# KiCad board MSX OPL4 Wozblaster.kicad_pcb
title: MSX OPL4 Wozblaster Reloaded; date: 2023-05-14; rev: 3.1; company: The Retro Hacker; note: Reloaded by Cristiano Goncalves; note: Original Design by Gustavo Iriarte; note: Wozblaster Reloaded v3
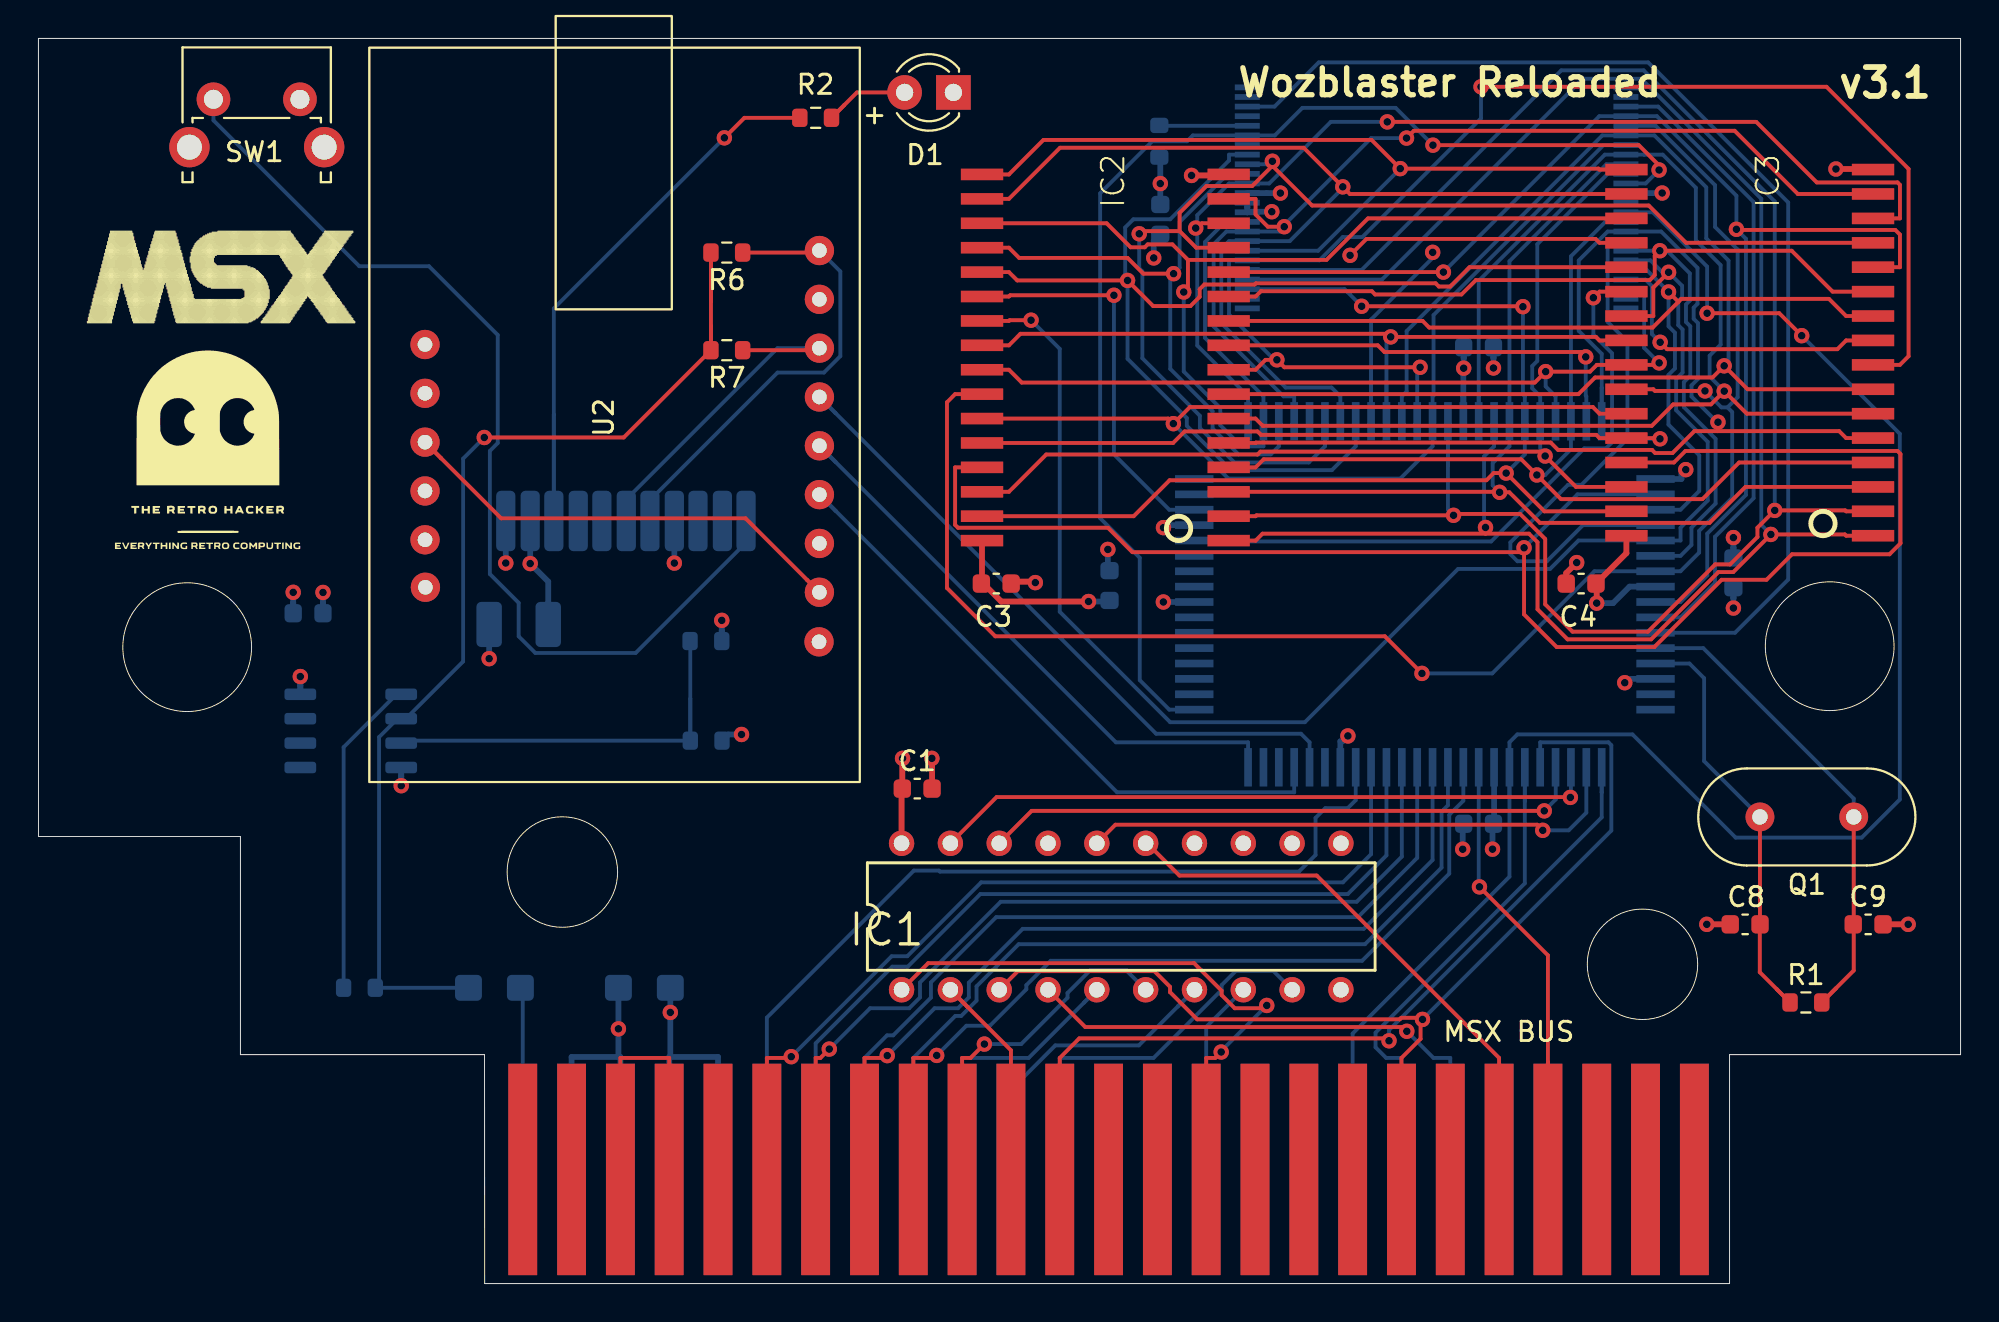
[diagram p0: board, top side]
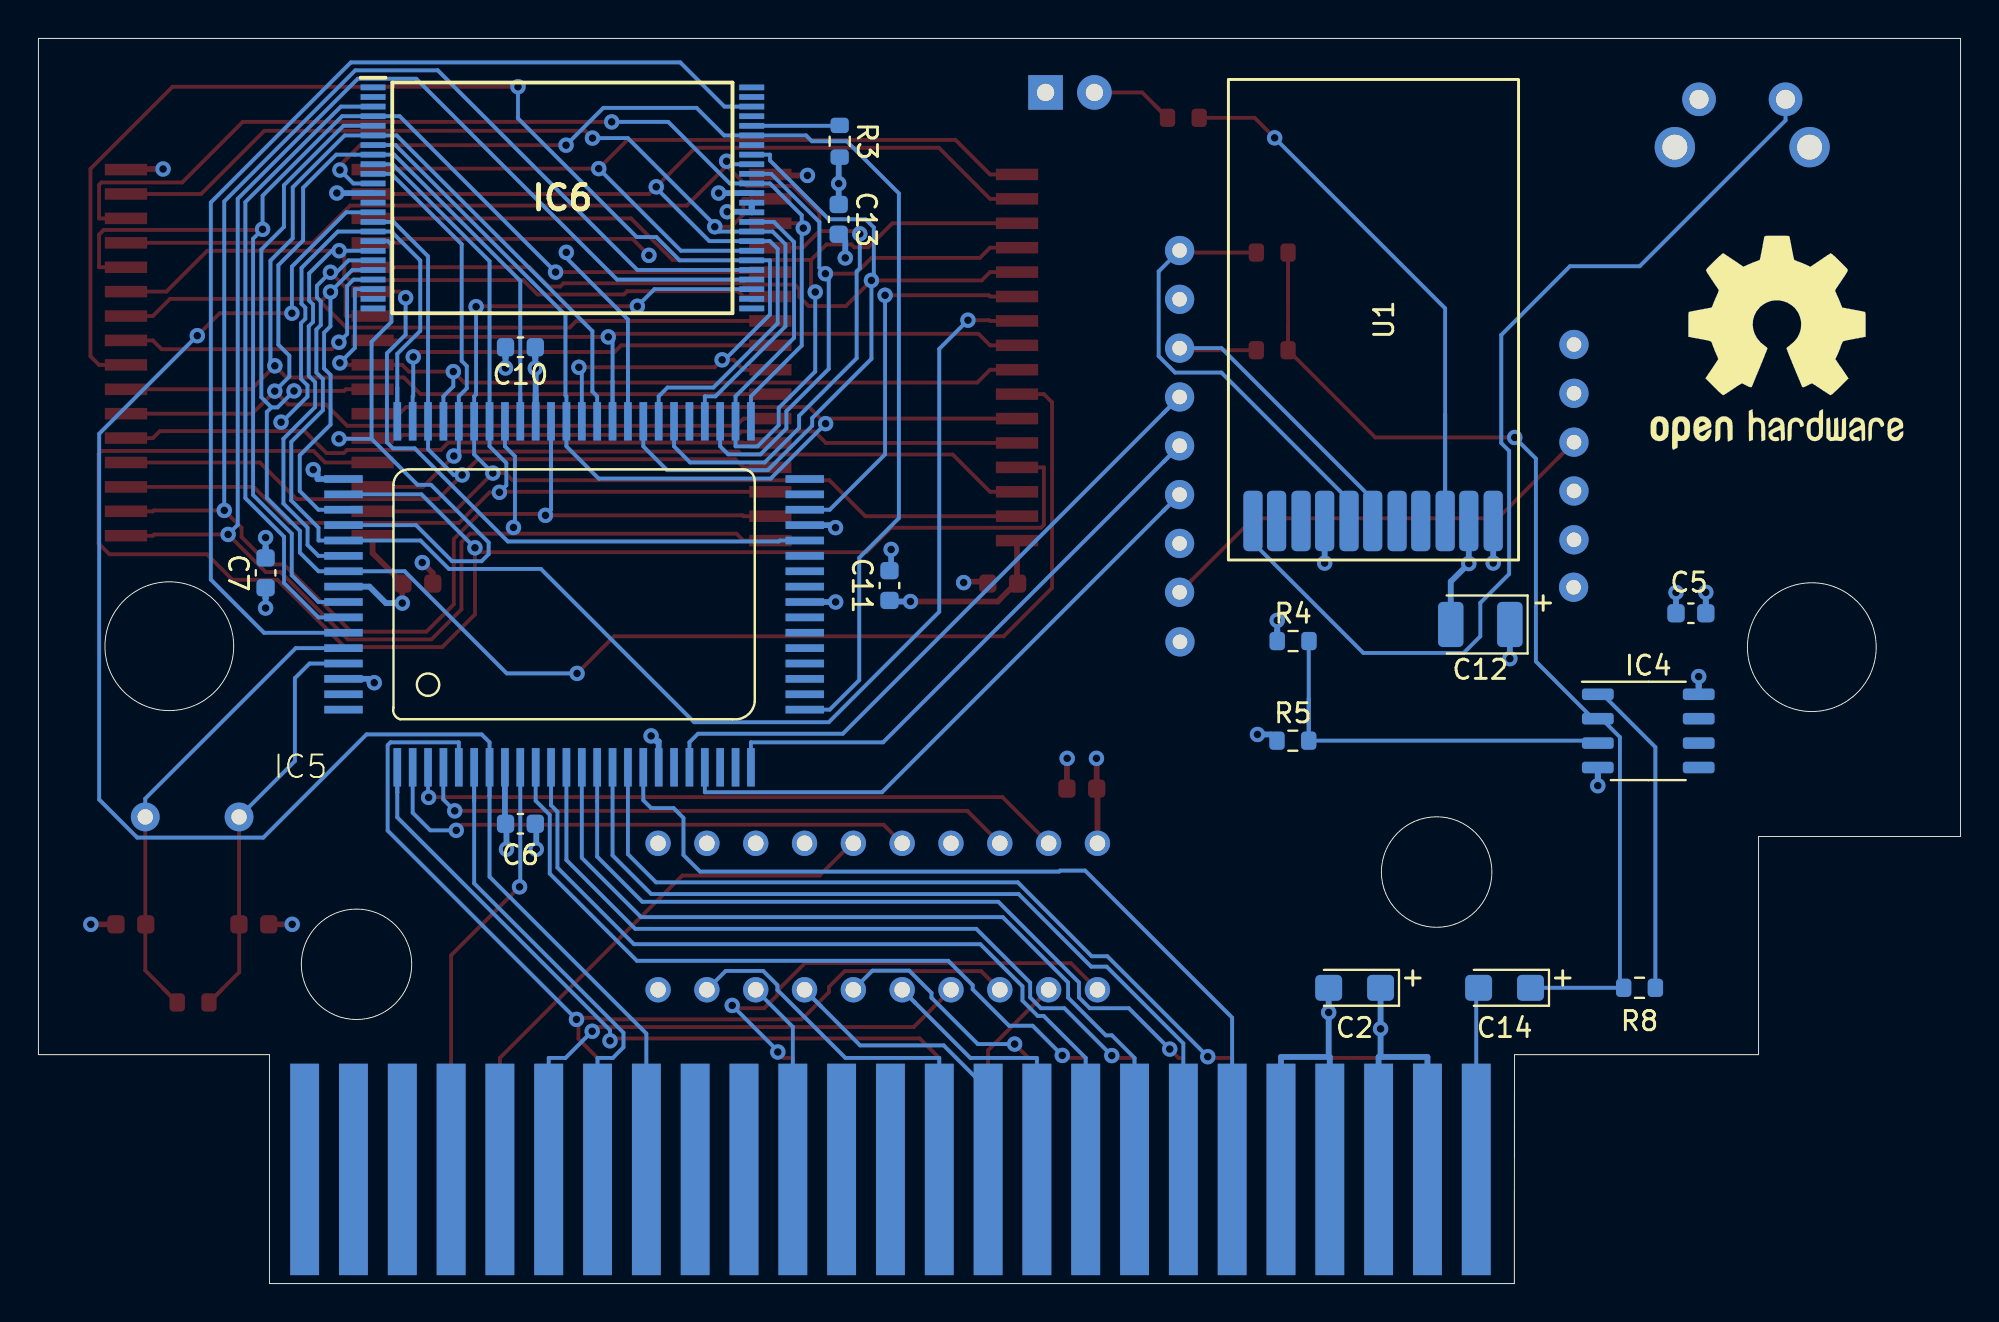
[diagram p1: board, bottom side, seen from below]

Outline 100.01 x 64.78 mm; copper layers: Top, In1.Cu (plane), In2.Cu (plane), Bottom. Coordinates in mm from the lower left corner of the outline.
Outline path: circle c7.74,33.11 r3.35 ; circle c27.26,21.41 r2.87 ; circle c83.46,16.61 r2.87 ; circle c93.2,33.16 r3.35 ; 0,64.78 100.01,64.78 100.01,11.91 87.99,11.91 87.99,0 23.22,0 23.21,11.91 10.51,11.91 10.51,23.26 0,23.26 0,64.78
Stack: Top 0.035mm / dielectric 0.1mm FR4 er 4.5 / In1.Cu 0.035mm / dielectric 1.24mm FR4 er 4.5 / In2.Cu 0.035mm / dielectric 0.1mm FR4 er 4.5 / Bottom 0.035mm

## Placement (name value [footprint] x y rotation side)
C1  0.1uF  [C_0603_1608Metric]  45.72 25.75 0 top
C2  10uF/10v  [CP_EIA-3216-18_Kemet-A]  31.53 15.39 0 bottom
C3  0.1uF  [C_0603_1608Metric]  49.84 36.42 0 top
C4  0.1uF  [C_0603_1608Metric]  80.27 36.42 180 top
C5  0.1uF  [C_0603_1608Metric]  14.03 34.87 0 bottom
C6  0.1uF  [C_0603_1608Metric]  74.93 23.92 180 bottom
C7  0.1uF  [C_0603_1608Metric]  88.19 36.98 90 bottom
C8  12pF  [C_0603_1608Metric]  88.8 18.69 180 top
C9  12pF  [C_0603_1608Metric]  95.2 18.69 0 top
C10  0.1uF  [C_0603_1608Metric]  74.93 48.71 0 bottom
C11  0.1uF  [C_0603_1608Metric]  55.73 36.32 90 bottom
C12  100uF/10v  [CP_EIA-3528-21_Kemet-B]  24.99 34.29 0 bottom
C13  0.1uF  [C_0603_1608Metric]  58.37 55.37 270 bottom
C14  10uF/10v  [CP_EIA-3216-18_Kemet-A]  23.73 15.39 0 bottom
D1  LED  [LED_D3.0mm]  47.61 61.97 180 top
G***  LOGO  [TRH]  8.84 43.43 0 top
IC1  GAL16V8D  [DIL20]  56.34 19.1 0 top
IC2  KM684000ALG  [SOP32L]  55.51 48.18 90 top
IC3  KM684000ALG  [SOP32L]  89.04 48.43 90 top
IC4  NJM4558  [SOP-8_3.9x4.9mm_P1.27mm]  16.25 28.75 180 bottom
IC5  YMF278B-F  [80-QFP]  72.24 36.16 180 bottom
IC6  AM29F016B-120EC  [SOP50P2000X120-48N]  72.75 56.48 180 bottom
LOGO_MSX  -  [LOGO_MSX]  1.48 55.67 0 top
MSX BUS  MSX_SLOT_EDGE-CON  [msx_cartridge]  55.68 5.81 0 top
Q1  33.8688  [Crystal_HC49-U_Vertical]  94.45 24.28 180 top
R1  3.3K  [R_0603_1608Metric]  91.96 14.62 0 top
R2  330  [R_0603_1608Metric]  40.44 60.65 0 top
R3  1K  [R_0603_1608Metric]  58.32 59.43 90 bottom
R4  2K  [R_0603_1608Metric]  34.73 33.43 180 bottom
R5  1K  [R_0603_1608Metric]  34.74 28.25 180 bottom
R6  1K  [R_0603_1608Metric]  35.82 53.64 180 top
R7  1K  [R_0603_1608Metric]  35.82 48.56 180 top
R8  1K  [R_0603_1608Metric]  16.7 15.39 0 bottom
REF**  -  [OSHW-Logo2_14.6x12mm_SilkScreen]  9.55 48.97 180 bottom
SW1  SW_Push  [SW_Tactile_SPST_Angled_PTS645Vx58-2LFS]  9.11 61.61 0 top
U1  -  [KCX_BT_EMITTER]  30.5 50.15 270 bottom
U2  -  [UDA1334MOD]  29.91 45.06 90 top

## Library data of the parts
D1 = -: Description: Light emitting diode
IC4 = -: Description: Dual Operational Amplifier, DIP-8/DMP-8/SIP-8/SOP-8/SSOP-8
IC6 = -: Description: Flash Memory IC 16 MEGABIT CMOS FLASH EPROM; Height: 1.2; Manufacturer_Name: AMD
MSX BUS = -: Description: MSX-compatible edge-connector for the cartridge slots used in the MSX-standard.; MPN: n/a; Manufacturer: n/a
R1-R8 = -: Description: Resistor
SW1 = -: Description: Push button switch, generic, two pins

## Footprints (pads in the part's own frame, mm; a bottom-side part is the same pattern mirrored in y, then rotated)
80-QFP
  rect 0.4x2 smd: 1(-9.1,-9.3) 2(-8.3,-9.3) 3(-7.5,-9.3) 4(-6.7,-9.3) 5(-5.9,-9.3) 6(-5.1,-9.3) 7(-4.3,-9.3) 8(-3.5,-9.3) 9(-2.7,-9.3) 10(-1.9,-9.3) 11(-1.1,-9.3) 12(-0.3,-9.3) 13(0.5,-9.3) 14(1.3,-9.3) 15(2.1,-9.3) 16(2.9,-9.3) 17(3.7,-9.3) 18(4.5,-9.3) 19(5.3,-9.3) 20(6.1,-9.3) 21(6.9,-9.3) 22(7.7,-9.3) 23(8.5,-9.3) 24(9.3,-9.3) 41(9.3,8.7) 42(8.5,8.7) 43(7.7,8.7) 44(6.9,8.7) 45(6.1,8.7) 46(5.3,8.7) 47(4.5,8.7) 48(3.7,8.7) 49(2.9,8.7) 50(2.1,8.7) 51(1.3,8.7) 52(0.5,8.7) 53(-0.3,8.7) 54(-1.1,8.7) 55(-1.9,8.7) 56(-2.7,8.7) 57(-3.5,8.7) 58(-4.3,8.7) 59(-5.1,8.7) 60(-5.9,8.7) 61(-6.7,8.7) 62(-7.5,8.7) 63(-8.3,8.7) 64(-9.1,8.7)
  rect 2x0.4 smd: 25(12.1,-6.3) 26(12.1,-5.5) 27(12.1,-4.7) 28(12.1,-3.9) 29(12.1,-3.1) 30(12.1,-2.3) 31(12.1,-1.5) 32(12.1,-0.7) 33(12.1,0.1) 34(12.1,0.9) 35(12.1,1.7) 36(12.1,2.5) 37(12.1,3.3) 38(12.1,4.1) 39(12.1,4.9) 40(12.1,5.7) 65(-11.9,5.7) 66(-11.9,4.9) 67(-11.9,4.1) 68(-11.9,3.3) 69(-11.9,2.5) 70(-11.9,1.7) 71(-11.9,0.9) 72(-11.9,0.1) 73(-11.9,-0.7) 74(-11.9,-1.5) 75(-11.9,-2.3) 76(-11.9,-3.1) 77(-11.9,-3.9) 78(-11.9,-4.7) 79(-11.9,-5.5) 80(-11.9,-6.3)
C_0603_1608Metric
  rrect 0.9x0.95 smd: 1(-0.775,0) 2(0.775,0)
CP_EIA-3216-18_Kemet-A
  rrect 1.4x1.35 smd: 1(-1.35,0) 2(1.35,0)
CP_EIA-3528-21_Kemet-B
  rrect 1.325x2.35 smd: 1(-1.538,0) 2(1.538,0)
Crystal_HC49-U_Vertical
  round 1.5 hole 0.8: 1(0,0) 2(4.88,0)
DIL20
  round 1.321 hole 0.813: 1(-11.43,-3.81) 2(-8.89,-3.81) 3(-6.35,-3.81) 4(-3.81,-3.81) 5(-1.27,-3.81) 6(1.27,-3.81) 7(3.81,-3.81) 8(6.35,-3.81) 9(8.89,-3.81) 10(11.43,-3.81) 11(11.43,3.81) 12(8.89,3.81) 13(6.35,3.81) 14(3.81,3.81) 15(1.27,3.81) 16(-1.27,3.81) 17(-3.81,3.81) 18(-6.35,3.81) 19(-8.89,3.81) 20(-11.43,3.81)
KCX_BT_EMITTER
  rrect 3.143x1 smd: 1(10.47,6.18) 2(10.47,4.91) 3(10.47,3.68) 4(10.47,2.41) 5(10.47,1.18) 6(10.47,-0.09) 7(10.47,-1.32) 8(10.47,-2.59) 9(10.47,-3.82) 10(10.47,-5.09) 11(10.47,-6.32)
LED_D3.0mm
  rect 1.8x1.8 hole 0.9: 1(0,0)
  round 1.8 hole 0.9: 2(2.54,0)
msx_cartridge
  rect 1.5x11 smd far side: 1(30.48,0.127) 3(27.94,0.127) 5(25.4,0.127) 7(22.86,0.127) 9(20.32,0.127) 11(17.78,0.127) 13(15.24,0.127) 15(12.7,0.127) 17(10.16,0.127) 19(7.62,0.127) 21(5.08,0.127) 23(2.54,0.127) 25(0,0.127) 27(-2.54,0.127) 29(-5.08,0.127) 31(-7.62,0.127) 33(-10.16,0.127) 35(-12.7,0.127) 37(-15.24,0.127) 39(-17.78,0.127) 41(-20.32,0.127) 43(-22.86,0.127) 45(-25.4,0.127) 47(-27.94,0.127) 49(-30.48,0.127)
  rect 1.5x11 smd: 2(30.48,0.127) 4(27.94,0.127) 6(25.4,0.127) 8(22.86,0.127) 10(20.32,0.127) 12(17.78,0.127) 14(15.24,0.127) 16(12.7,0.127) 18(10.16,0.127) 20(7.62,0.127) 22(5.08,0.127) 24(2.54,0.127) 26(0,0.127) 28(-2.54,0.127) 30(-5.08,0.127) 32(-7.62,0.127) 34(-10.16,0.127) 36(-12.7,0.127) 38(-15.24,0.127) 40(-17.78,0.127) 42(-20.32,0.127) 44(-22.86,0.127) 46(-25.4,0.127) 48(-27.94,0.127) 50(-30.48,0.127)
R_0603_1608Metric
  rrect 0.8x0.95 smd: 1(-0.825,0) 2(0.825,0)
SOP32L
  rect 0.6x2.2 smd: 1(-9.525,-6.416) 2(-8.255,-6.416) 3(-6.985,-6.416) 4(-5.715,-6.416) 5(-4.445,-6.416) 6(-3.175,-6.416) 7(-1.905,-6.416) 8(-0.635,-6.416) 9(0.635,-6.416) 10(1.905,-6.416) 11(3.175,-6.416) 12(4.445,-6.416) 13(5.715,-6.416) 14(6.985,-6.416) 15(8.255,-6.416) 16(9.525,-6.416) 17(9.525,6.416) 18(8.255,6.416) 19(6.985,6.416) 20(5.715,6.416) 21(4.445,6.416) 22(3.175,6.416) 23(1.905,6.416) 24(0.635,6.416) 25(-0.635,6.416) 26(-1.905,6.416) 27(-3.175,6.416) 28(-4.445,6.416) 29(-5.715,6.416) 30(-6.985,6.416) 31(-8.255,6.416) 32(-9.525,6.416)
SOP50P2000X120-48N
  rect 1.3x0.3 smd: 1(-9.85,5.75) 2(-9.85,5.25) 3(-9.85,4.75) 4(-9.85,4.25) 5(-9.85,3.75) 6(-9.85,3.25) 7(-9.85,2.75) 8(-9.85,2.25) 9(-9.85,1.75) 10(-9.85,1.25) 11(-9.85,0.75) 12(-9.85,0.25) 13(-9.85,-0.25) 14(-9.85,-0.75) 15(-9.85,-1.25) 16(-9.85,-1.75) 17(-9.85,-2.25) 18(-9.85,-2.75) 19(-9.85,-3.25) 20(-9.85,-3.75) 21(-9.85,-4.25) 22(-9.85,-4.75) 23(-9.85,-5.25) 24(-9.85,-5.75) 25(9.85,-5.75) 26(9.85,-5.25) 27(9.85,-4.75) 28(9.85,-4.25) 29(9.85,-3.75) 30(9.85,-3.25) 31(9.85,-2.75) 32(9.85,-2.25) 33(9.85,-1.75) 34(9.85,-1.25) 35(9.85,-0.75) 36(9.85,-0.25) 37(9.85,0.25) 38(9.85,0.75) 39(9.85,1.25) 40(9.85,1.75) 41(9.85,2.25) 42(9.85,2.75) 43(9.85,3.25) 44(9.85,3.75) 45(9.85,4.25) 46(9.85,4.75) 47(9.85,5.25) 48(9.85,5.75)
SOP-8_3.9x4.9mm_P1.27mm
  rrect 1.65x0.6 smd: 1(-2.625,1.905) 2(-2.625,0.635) 3(-2.625,-0.635) 4(-2.625,-1.905) 5(2.625,-1.905) 6(2.625,-0.635) 7(2.625,0.635) 8(2.625,1.905)
SW_Tactile_SPST_Angled_PTS645Vx58-2LFS
  round 2.1 hole 1.3: (-1.25,-2.49) (5.76,-2.49)
  round 1.75 hole 0.99: 1(0,0) 2(4.5,0)
UDA1334MOD
  round 1.524 hole 0.762: 1(-11.67,-10.7) 2(-9.09,-10.72) 3(-6.55,-10.72) 4(-4.01,-10.72) 5(-1.47,-10.72) 6(1.07,-10.72) 7(3.61,-10.72) 8(6.15,-10.72) 9(8.69,-10.72) 10(-8.83,9.78) 11(-6.36,9.8) 12(-3.82,9.8) 13(-1.28,9.8) 14(1.26,9.8) 15(3.8,9.8)

## Nets
+5V: C1.1 C2.1 C3.1 C4.1 C5.1 C6.1 C7.1 C10.1 C11.1 C12.1 C13.1 IC1.20 IC2.32 IC3.32 IC4.8 IC5.8 IC5.32 IC5.55 IC5.72 IC6.12 IC6.37 MSX BUS.45 MSX BUS.47 R3.1 R5.1 U1.1 U2.1
GND: C1.2 C2.2 C3.2 C4.2 C5.2 C6.2 C7.2 C8.2 C9.2 C10.2 C11.2 C12.2 C13.2 D1.1 IC1.10 IC1.11 IC1.12 IC1.13 IC1.14 IC1.17 IC2.16 IC3.16 IC4.4 IC5.18 IC5.37 IC5.65 IC5.78 IC6.35 IC6.36 MSX BUS.41 MSX BUS.43 R4.1 SW1.2 U1.2 U1.8 U2.3 U2.8
/A0: IC2.8 IC3.8 IC5.52 IC6.30
/A1: IC2.2 IC3.2 IC5.54 IC6.29
/A2: IC2.1 IC3.1 IC5.57 IC6.28
/A3: IC2.31 IC3.31 IC5.59 IC6.27
/A4: IC2.25 IC3.25 IC5.61 IC6.22
/A5: IC2.9 IC3.9 IC5.63 IC6.21
/A6: IC2.10 IC3.10 IC5.67 IC6.20
/A7: IC2.23 IC3.23 IC5.69 IC6.19
/A8: IC2.11 IC3.11 IC5.70 IC6.18
/A9: IC2.28 IC3.28 IC5.68 IC6.17
/A10: IC2.5 IC3.5 IC5.64 IC6.16
/A11: IC2.4 IC3.4 IC5.62 IC6.15
/A12: IC2.30 IC3.30 IC5.60 IC6.10
/A13: IC2.3 IC3.3 IC5.58 IC6.9
/A14: IC2.6 IC3.6 IC5.56 IC6.8
/A15: IC2.27 IC3.27 IC5.53 IC6.7
/A16: IC2.7 IC3.7 IC5.51 IC6.6
/A17: IC2.26 IC3.26 IC5.71 IC6.5
/A18: IC2.12 IC3.12 IC5.73 IC6.4
/A19: IC5.74 IC6.3
/A20: IC5.75 IC6.46
/AA0: IC5.1 MSX BUS.28
/AA1: IC1.9 MSX BUS.27
/AA2: IC1.2 MSX BUS.30
/AA3: IC1.7 MSX BUS.29
/AA4: IC1.6 MSX BUS.32
/AA5: IC1.5 MSX BUS.31
/AA6: IC1.1 MSX BUS.22
/AA7: IC1.8 MSX BUS.21
/BCO: IC5.20 U2.6
/D0: IC5.10 MSX BUS.34
/D1: IC5.11 MSX BUS.33
/D2: IC5.12 MSX BUS.36
/D3: IC5.13 MSX BUS.35
/D4: IC5.14 MSX BUS.38
/D5: IC5.15 MSX BUS.37
/D6: IC5.16 MSX BUS.40
/D7: IC5.17 MSX BUS.39
/DO2: IC5.24 U2.5
/LRO: IC5.21 U2.4
/MD0: IC2.17 IC3.17 IC5.49 IC6.31
/MD1: IC2.18 IC3.18 IC5.47 IC6.32
/MD2: IC2.15 IC3.15 IC5.44 IC6.33
/MD3: IC2.19 IC3.19 IC5.42 IC6.34
/MD4: IC2.14 IC3.14 IC5.41 IC6.38
/MD5: IC2.20 IC3.20 IC5.43 IC6.39
/MD6: IC2.13 IC3.13 IC5.46 IC6.40
/MD7: IC2.21 IC3.21 IC5.48 IC6.41
/SLTSOUND: C14.2 MSX BUS.49
/~{BUSDIR}: IC1.15 MSX BUS.10
/~{CS0}: IC3.22 IC5.36
/~{CS1}: IC2.22 IC5.38
/~{INT}: IC5.9 MSX BUS.8
/~{IORQ}: IC1.4 MSX BUS.11
/~{MRD}: IC2.24 IC3.24 IC5.50
/~{MWR}: IC2.29 IC3.29 IC5.66
/~{RD}: IC1.3 IC5.5 MSX BUS.14
/~{RESET}: IC5.7 IC6.14 MSX BUS.15
/~{ROM}: IC5.25 IC6.11 IC6.43
/~{WR}: IC5.6 MSX BUS.13
Net-(BUS1-SW1): MSX BUS.44 MSX BUS.46
Net-(C14-+): C14.1 IC4.2 R6.2 R7.2 R8.2
Net-(D1-A): D1.2 R2.2
Net-(IC1A-O1): IC1.19 IC5.3
Net-(IC1A-O2): IC1.18 IC5.4
Net-(IC1A-O4): IC1.16 IC5.2
Net-(IC4-Pad1): IC4.1 R8.1
Net-(IC4A-+): IC4.3 R4.2 R5.2
Net-(IC5-XI): C8.1 IC5.77 Q1.2 R1.1
Net-(IC5-XO): C9.1 IC5.76 Q1.1 R1.2
Net-(IC6-WE#): IC6.44 R3.2
Net-(U1-CON): SW1.1 U1.11
Net-(U1-IN_L): R7.1 U1.6 U2.7
Net-(U1-IN_R): R6.1 U1.7 U2.9
Net-(U1-LED): R2.1 U1.3
Net-(U2-3VO): U2.2 U2.13

Pads without a net: IC4 5 6 7; IC5 19 22 23 26 27 28 29 30 31 33 34 35 39 40 45 79 80; IC6 1 2 13 23 24 25 26 42 45 47 48; MSX BUS 1 2 3 4 5 6 7 9 12 16 17 18 19 20 23 24 25 26 42 48 50; U1 4 5 9 10; U2 10 11 12 14 15

## Via types
v1: diameter 0.8, hole 0.4, Top to Bottom, 106 vias

## Routing (per net, layer and track width the routed paths; a pad name or vN(x,y) marks a point on that pad's centre or on a via; arc(x,y) is an arc through that point)
+5V: length 76.1
  Top w0.3: v1(54.64,35.48) 50.1,35.48 49.06,36.52 49.1,36.55 IC2.32 ; v1(81.08,35.4) 81.08,36.38 C4.1 82.62,38 IC3.32 ; v1(44.96,27.32) 44.95,27.31 C1.1 44.91,25.71 IC1.20
  Bottom w0.3: 27.74,8.86 27.74,11.79 30.18,11.79 ; 27.74,8.86 MSX BUS.47 27.74,8.86 ; v1(84.48,56.74) 84.48,56.73 IC6.12 ; v1(54.64,35.48) 55.67,35.48 55.7,35.51 ; 13.26,35.42 C5.1 13.26,35.42 ; 13.26,35.42 v1(13.26,35.96) ; IC5.8 75.74,27.66 IC5.8 ; IC5.8 75.74,23.95 C6.1 75.66,23.87 v1(75.66,22.6) ; 23.45,33.4 C12.1 23.45,33.4 ; 23.45,33.4 v1(23.45,32.51) ; IC5.32 v1(58.53,35.46) ; 13.63,31.12 IC4.8 13.63,31.12 ; 13.63,31.12 v1(13.63,31.58) ; 55.7,35.51 C11.1 55.7,35.51 ; 88.19,35.67 C7.1 88.19,35.67 ; 88.19,35.67 v1(88.19,35.15) ; R5.1 35.57,28.25 35.89,28.57 v1(36.58,28.57) ; 24.32,38.58 U1.1 24.32,38.58 ; 24.32,38.58 v1(24.32,37.49) ; 58.35,58.58 R3.1 58.35,58.58 ; 58.35,58.58 58.37,58.55 v1(58.37,57.23) C13.1 ; C2.1 v1(30.18,13.25) 30.18,11.79 ; v1(81.08,35.4) 81.93,35.4 82.79,36.26 IC5.72 ; 30.28,8.86 MSX BUS.45 30.28,8.86 ; 30.28,8.86 30.28,11.79 30.18,11.79 ; 74.16,48.17 v1(74.16,47.62) 74.14,47.61 74.14,46.23 ; 74.16,48.17 C10.1 74.16,48.17 ; 74.14,46.23 IC5.55 74.14,46.23 ; v1(64.62,56.73) IC6.37
GND: length 67
  Top w0.3: v1(80.04,37.51) 79.49,36.96 C4.2 ; v1(93.53,57.99) 95.43,57.99 IC3.16 ; IC2.16 61.88,57.65 v1(60,57.65) ; 87.98,18.66 88.03,18.71 ; v1(86.81,18.69) 87.98,18.69 ; v1(51.87,36.47) 51.82,36.52 50.61,36.52 ; C1.2 46.5,27.31 v1(46.48,27.32) ; 96.09,18.69 v1(97.28,18.69)
  Bottom w0.3: C2.2 v1(32.88,14.11) 32.88,11.79 ; 26.53,35.41 C12.2 26.53,35.41 ; 26.53,35.41 26.53,36.52 v1(25.59,37.46) 25.59,38.57 ; v1(68.13,28.49) 67.85,28.21 67.74,28.21 67.74,27.53 ; IC5.65 85.49,41.86 85.49,42.12 v1(85.71,42.34) ; U1.8 33.09,38.58 33.09,38.58 ; 14.81,35.42 C5.2 14.81,35.42 ; 14.81,35.42 v1(14.81,35.96) ; IC5.78 82.79,31.46 82.59,31.26 v1(82.54,31.26) ; 33.09,38.58 v1(33.09,37.48) ; 33.09,38.58 33.09,39.68 ; 35.36,8.86 MSX BUS.41 35.36,8.86 ; 35.36,8.86 35.36,11.79 32.88,11.79 ; 32.82,8.86 MSX BUS.43 32.82,8.86 ; 32.82,8.86 32.82,11.79 32.88,11.79 ; 62.9,55.75 IC6.35 62.9,55.75 ; 62.9,55.75 62.9,55.76 ; v1(58.03,53.36) 58.03,54.25 C13.2 ; C6.2 74.11,23.87 v1(74.11,22.6) ; 67.74,27.53 IC5.18 67.74,27.53 ; v1(58.54,39.33) 58.66,39.33 58.79,39.46 IC5.37 ; 88.19,38.28 v1(88.19,38.81) ; 88.19,38.28 C7.2 88.19,38.28 ; 75.71,48.17 v1(75.71,47.63) ; 75.71,48.17 C10.2 75.71,48.17 ; C11.2 55.64,37.18 v1(55.64,38.19) ; v1(35.55,34.5) 35.55,33.97 ; 35.55,33.97 R4.1 35.55,33.96 ; 18.88,26.38 IC4.4 18.88,26.38 18.88,26.38 ; 18.88,26.38 v1(18.88,25.9) ; 25.59,38.57 25.59,38.57 U1.2 ; 25.59,38.57 25.59,39.68 ; 62.9,55.76 v1(64.17,55.76) ; 62.9,55.76 62.9,56 ; 62.9,56 IC6.36 62.9,56
/A0: length 74
  Top w0.2: IC3.8 96.86,47.8 97.3,48.25 97.3,57.99 93.03,62.26 v1(75.06,62.26) ; v1(71.89,47.67) 64.83,47.67 v1(64.44,48.06) 63.84,48.06 63.33,47.54 IC2.8
  Bottom w0.2: 71.74,45.77 IC5.52 71.74,45.77 ; 71.74,45.77 71.74,47.52 v1(71.89,47.67) ; v1(64.44,48.06) 64.31,48.06 61.95,50.42 61.95,53.23 IC6.30 66.65,53.23 67.86,54.45 68.88,54.45 75.06,60.62 v1(75.06,62.26)
/A1: length 99
  Top w0.2: IC2.2 63.33,39.92 63.37,39.97 v1(73.63,39.97) 73.7,40.04 77.09,40.04 78.4,38.74 78.4,35.34 79.82,33.92 83.75,33.92 87.24,37.42 88.02,37.42 89.44,38.84 89.44,39.33 v1(90.34,40.23) 94.01,40.23 94.06,40.18 IC3.2
  Bottom w0.2: 73.34,42.56 IC5.54 73.34,42.56 ; 73.34,42.56 73.34,40.26 v1(73.63,39.97) ; IC6.29 68.85,52.73 79.23,63.12 83.52,63.12 90.34,56.3 v1(90.34,40.23)
/A2: length 98.4
  Top w0.2: IC3.1 94.06,38.91 93.99,38.97 v1(90.14,38.97) 88.18,37.02 87.41,37.02 83.91,33.52 79.56,33.52 78,35.08 78,38.57 77.55,39.01 75.29,39.01 ; IC2.1 63.33,38.65 63.69,39.01 75.29,39.01 ; 75.29,39.01 v1(75.29,39.34)
  Bottom w0.2: 75.74,44.21 75.74,44.21 IC5.57 75.74,44.21 ; 75.74,44.21 75.74,43.56 75.22,43.04 75.22,39.41 v1(75.29,39.34) ; IC6.28 69.9,52.23 80.35,62.68 83.39,62.68 89.64,56.43 89.64,39.47 v1(90.14,38.97)
/A3: length 59.3
  Top w0.2: IC2.31 56.99,39.92 58.86,41.79 75.34,41.79 75.72,42.17 v1(76.37,42.17) 78.36,40.18 IC3.31 ; v1(68.85,50.85) 77.22,50.85 v1(77.24,50.82)
  Bottom w0.2: 77.34,44.65 IC5.59 ; 77.34,44.65 77.34,46.16 77.24,46.26 v1(77.24,50.82) ; 77.34,44.65 77.34,43.14 v1(76.37,42.17) ; IC6.27 67.96,51.73 v1(68.85,50.85)
/A4: length 44.5
  Top w0.2: IC2.25 50.5,47.54 51.16,46.88 77.85,46.88 v1(78.42,47.45) 80.73,47.45 81.09,47.8 IC3.25 84.02,47.8 84.13,47.9 v1(84.33,47.9)
  Bottom w0.2: IC6.22 83.55,51.73 83.55,48.68 v1(84.33,47.9) ; 78.94,45.51 IC5.61 78.94,45.51 ; 78.94,45.51 78.94,46.16 78.42,46.67 v1(78.42,47.45)
/A5: length 43
  Top w0.2: v1(84.38,48.97) 84.74,48.61 93.6,48.61 94.06,49.07 IC3.9 ; v1(80.51,48.21) 80.25,48.47 70.03,48.47 69.69,48.81 IC2.9
  In1.Cu w0.2: v1(80.51,48.21) 81.27,48.97 v1(84.38,48.97)
  Bottom w0.2: v1(84.38,48.97) 83.95,49.4 83.95,51.9 83.61,52.23 IC6.21 ; v1(80.51,48.21) 80.51,46.19 80.54,46.16 80.54,45.51 ; 80.54,45.51 IC5.63 80.54,45.51
/A6: length 52.1
  Top w0.2: 85.33,51.08 83.99,49.74 72.37,49.74 72.02,50.08 IC2.10 ; 85.33,51.08 v1(84.82,51.59) ; 85.33,51.08 85.48,51.23 93.16,51.23 94.06,50.34 IC3.10
  Bottom w0.2: IC5.67 85.44,40.26 86.41,41.23 86.41,43.09 84.81,44.69 84.81,47.27 85.15,47.61 85.15,49.47 84.82,49.8 v1(84.82,51.59) 84.82,51.6 83.68,52.73 IC6.20
/A7: length 79.3
  Top w0.2: IC3.23 84.02,50.34 84.02,51.82 v1(84.82,52.61) ; v1(51.65,50.12) 50.53,50.12 50.5,50.08 IC2.23
  Bottom w0.2: v1(51.65,50.12) 53.14,48.63 53.14,34.95 58.89,29.2 65.89,29.2 73.87,37.18 78.65,37.18 80.13,38.66 IC5.69 85.44,38.66 85.44,39.32 86.85,40.74 86.85,43.79 85.21,45.44 85.21,47.06 85.55,47.4 85.55,49.64 85.32,49.86 85.32,51.11 85.52,51.31 85.52,51.91 v1(84.82,52.61) 84.49,52.61 83.87,53.23 IC6.19
/A8: length 57.7
  Top w0.2: IC2.11 63.33,51.35 63.6,51.63 69.38,51.63 69.55,51.46 74.04,51.46 74.79,52.21 83.84,52.21 84.1,52.46 84.1,53.47 v1(84.36,53.73) 91.22,53.73 93.35,51.61 IC3.11
  Bottom w0.2: IC5.70 85.44,37.86 86.01,38.43 86.01,39.33 87.26,40.58 87.26,43.95 85.61,45.6 85.61,46.9 85.95,47.23 85.95,49.8 85.72,50.03 85.72,50.94 85.92,51.14 85.92,52.56 84.74,53.73 v1(84.36,53.73) 84.36,53.73 IC6.18
/A9: length 66.4
  Top w0.2: IC2.28 59.04,43.73 59.64,44.33 63.43,44.33 63.61,44.15 81.06,44.15 81.22,43.99 IC3.28 84.02,43.99 84.06,43.95 v1(84.37,43.95)
  Bottom w0.2: 82.68,43.95 80.29,41.56 79.59,41.56 76.59,38.56 76.59,37.95 76.95,37.58 78.49,37.58 80.37,39.46 IC5.68 ; 82.68,43.95 82.68,49 81.65,50.03 81.65,54.06 81.82,54.23 IC6.17 ; 82.68,43.95 v1(84.37,43.95)
/A10: length 62
  Top w0.2: 87.39,44.35 v1(87.39,44.82) ; 87.39,44.35 93.69,44.35 94.06,43.99 IC3.5 ; 87.39,44.35 86.16,44.35 85.02,43.21 84.12,43.21 83.96,43.37 79.07,43.37 78.68,43.75 63.35,43.75 63.33,43.73 IC2.5
  Bottom w0.2: v1(87.39,44.82) 87.35,44.82 86.01,46.15 86.01,46.73 86.35,47.07 86.35,49.97 86.12,50.19 86.12,50.77 86.32,50.97 86.32,52.84 84.43,54.73 IC6.16 81.65,54.73 80.14,53.23 80.14,49.57 81.34,48.37 81.34,46.6 ; 81.34,46.6 IC5.64 81.34,46.6
/A11: length 52.3
  Top w0.2: IC3.4 88.49,42.72 86.58,40.81 79.22,40.81 v1(77.97,42.07) 77.15,42.88 63.75,42.88 63.33,42.46 IC2.4
  Bottom w0.2: 79.74,45.84 IC5.62 ; 79.74,45.84 79.74,43.41 78.4,42.07 v1(77.97,42.07) ; 79.74,45.84 79.74,53.45 81.53,55.23 IC6.15
/A12: length 52.8
  Top w0.2: IC2.30 50.5,41.19 52.44,43.13 63.43,43.13 63.58,43.29 78.16,43.29 v1(78.39,43.05) 80,41.45 IC3.30
  Bottom w0.2: 78.14,44.74 78.14,46.16 77.72,46.57 77.72,47.74 77.99,48 77.99,54.07 81.65,57.73 IC6.10 ; 78.14,44.74 78.14,43.31 v1(78.39,43.05) ; 78.14,44.74 IC5.60
/A13: length 56.5
  Top w0.2: IC3.3 88.82,41.45 86.95,39.58 78.12,39.58 76.53,41.17 v1(76.03,41.17) 76,41.19 IC2.3
  Bottom w0.2: IC6.9 81.58,58.23 76.54,53.19 76.54,45.66 ; 76.54,45.66 IC5.58 ; 76.54,45.66 76.54,43.56 75.67,42.69 75.67,41.53 v1(76.03,41.17)
/A14: length 70
  Top w0.2: IC2.6 63.33,45 63.7,44.63 83.94,44.63 85.06,45.74 87.02,45.74 v1(87.71,46.43) 88.89,45.26 IC3.6
  Bottom w0.2: 74.94,46.28 IC5.56 74.94,46.28 ; 74.94,46.28 74.94,52.17 81.5,58.73 IC6.8 83.55,58.73 84.51,58.73 86.24,57.01 86.24,54.27 87.53,52.99 87.53,48.85 86.95,48.28 86.95,47.19 v1(87.71,46.43)
/A15: length 70
  Top w0.2: IC3.27 81.22,45.26 80.88,45.6 59.92,45.6 v1(59.05,44.74) 58.79,45 IC2.27
  Bottom w0.2: v1(59.05,44.74) 61.91,41.88 70.86,41.88 72.54,43.56 IC5.53 72.54,46.16 72.59,46.21 72.59,50.39 81.44,59.23 IC6.7
/A16: length 70.9
  Top w0.2: IC2.7 80.13,46.27 80.99,47.14 87.1,47.14 v1(87.71,47.75) 88.93,46.53 IC3.7
  Bottom w0.2: v1(87.71,47.75) 87.94,47.97 87.94,53.22 86.78,54.38 86.78,57.03 84.08,59.73 IC6.6 81.37,59.73 71.19,49.55 71.19,46.41 70.94,46.16 70.94,45.51 ; 70.94,45.51 IC5.51 70.94,45.51
/A17: length 87.4
  Top w0.2: IC3.26 84.02,46.53 84.11,46.44 v1(86.71,46.44) ; v1(71.99,31.74) 70.06,33.67 49.79,33.67 47.27,36.19 47.27,45.85 47.7,46.27 IC2.26
  Bottom w0.2: v1(71.99,31.74) 75.64,31.74 80.96,37.06 IC5.71 85.44,37.06 86.41,38.03 86.41,39.16 88.13,40.88 88.13,45.34 87.88,45.59 ; 87.88,45.59 88.41,46.11 88.41,53.8 87.24,54.97 87.24,57.14 84.14,60.23 IC6.5 ; 87.88,45.59 87.57,45.59 v1(86.71,46.44)
/A18: length 67.3
  Top w0.2: IC3.12 96.86,52.88 96.86,54.57 96.61,54.82 88.38,54.82 v1(88.35,54.85) ; v1(73.1,52.62) IC2.12
  Bottom w0.2: v1(73.1,52.62) 81.21,60.73 IC6.4 84.21,60.73 88.35,56.6 v1(88.35,54.85) 88.84,54.36 88.84,41.03 86.83,39.02 86.83,36.85 85.44,35.46 IC5.73
/A19: length 33.2
  Bottom w0.2: IC6.3 84.28,61.23 89.24,56.27 89.24,40.86 87.23,38.85 87.23,36.45 85.44,34.66 IC5.74
/A20: length 59.8
  Bottom w0.2: IC5.75 88.27,33.86 91.04,36.63 91.04,56.25 83.76,63.53 66.61,63.53 64.32,61.23 IC6.46
/AA0: length 46.4
  Top w0.2: 53.14,8.84 53.14,11.74 54.16,12.76 70.15,12.76 v1(70.27,12.63) ; 53.14,8.84 MSX BUS.28 53.14,8.84
  Bottom w0.2: v1(70.27,12.63) 70.27,13.19 81.34,24.26 81.34,25.56 ; 81.34,25.56 IC5.1 81.34,25.56
/AA1: length 23.2
  Bottom w0.2: 53.14,8.84 MSX BUS.27 53.14,8.84 ; 53.14,8.84 53.14,11.74 58.02,11.74 61.56,15.28 61.56,15.52 62.3,16.27 64.25,16.27 65.23,15.29 IC1.9
/AA2: length 15
  Top w0.2: 48.34,14.4 47.45,15.29 ; 48.34,14.4 IC1.2 ; 48.34,14.4 50.6,12.14 50.6,9.04 ; 50.6,9.04 MSX BUS.30 50.6,9.04
/AA3: length 19.1
  Bottom w0.2: 50.6,8.01 50.6,8.01 MSX BUS.29 50.6,8.01 ; 50.6,8.01 50.6,10.08 52.91,12.39 57.26,12.39 59.28,14.42 ; 59.28,14.42 IC1.7 ; 59.28,14.42 60.15,15.29
/AA4: length 20.5
  Top w0.2: 48.06,8.65 MSX BUS.32 48.06,8.65 ; 48.06,8.65 48.06,11.74 48.5,11.74 v1(49.22,12.46)
  Bottom w0.2: v1(49.22,12.46) 51.13,12.46 53.54,14.87 53.54,15.12 54.7,16.28 56.62,16.28 57.61,15.29 IC1.6
/AA5: length 17.9
  Bottom w0.2: IC1.5 54.41,14.62 54.41,14.62 ; 54.41,14.62 51.52,11.74 48.06,11.74 48.06,8.65 ; 54.41,14.62 55.07,15.29 ; 48.06,8.65 MSX BUS.31 48.06,8.65
/AA6: length 33.8
  Top w0.2: IC1.1 44.91,15.29 46.29,16.67 60.13,16.67 61.56,15.24 61.56,15.01 62.25,14.32 63.77,14.32 v1(63.91,14.47) ; v1(61.54,12.05) 61.23,11.74 60.76,11.74 60.76,8.84 ; 60.76,8.84 MSX BUS.22 60.76,8.84
  Bottom w0.2: v1(61.54,12.05) 61.54,12.1 v1(63.91,14.47)
/AA7: length 10.1
  Bottom w0.2: IC1.8 60.76,13.35 MSX BUS.21
/BCO: length 35.4
  Bottom w0.2: 41.47,45.29 U2.6 41.47,45.29 ; 41.47,45.29 58.16,28.61 65.69,28.61 66.14,28.16 IC5.20
/D0: length 47.6
  Top w0.2: 45.52,8.65 MSX BUS.34 45.52,8.65 45.52,8.65 ; 45.52,8.65 45.52,11.74 46.61,11.74 v1(46.74,11.87)
  Bottom w0.2: IC5.10 74.14,26.21 IC5.10 ; IC5.10 74.14,25.12 73.41,24.39 73.41,21.33 68.87,16.79 52.67,16.79 51.4,15.52 51.4,15.31 49.51,13.41 48.28,13.41 v1(46.74,11.87)
/D1: length 46.5
  Bottom w0.2: 45.52,8.65 45.52,11.74 47.71,13.92 48.01,13.92 48.81,14.72 48.81,15.46 51,17.66 69.02,17.66 73.01,21.64 73.01,24.55 73.34,24.89 73.34,26.21 ; 45.52,8.65 45.52,8.65 MSX BUS.33 45.52,8.65 ; 73.34,26.21 IC5.11 73.34,26.21
/D2: length 48.4
  Top w0.2: 42.98,8.84 MSX BUS.36 42.98,8.84 ; 42.98,8.84 42.98,11.74 44.04,11.74 v1(44.16,11.86)
  Bottom w0.2: 72.54,26.21 IC5.12 72.54,26.21 ; 72.54,26.21 72.54,22.04 68.96,18.46 51.21,18.46 48.41,15.65 48.41,14.89 47.85,14.32 46.63,14.32 v1(44.16,11.86)
/D3: length 47.4
  Bottom w0.2: 71.74,26.19 IC5.13 71.74,26.19 ; 71.74,26.19 71.74,22.15 68.65,19.06 49.83,19.06 46.44,15.67 46.44,14.88 44.47,12.91 44.15,12.91 42.98,11.74 42.98,8.65 ; 42.98,8.65 MSX BUS.35 42.98,8.65 42.98,8.65
/D4: length 49.1
  Top w0.2: v1(41.15,12.2) 40.69,11.74 40.44,11.74 40.44,8.62 ; 40.44,8.62 MSX BUS.38 40.44,8.62
  Bottom w0.2: 70.94,26.21 IC5.14 70.94,26.21 ; 70.94,26.21 70.94,22.21 68.59,19.86 50.07,19.86 45.87,15.67 45.87,14.89 45.31,14.32 43.27,14.32 v1(41.15,12.2)
/D5: length 48.2
  Bottom w0.2: 40.44,8.62 MSX BUS.37 40.44,8.62 ; 40.44,8.62 40.44,12.5 44.43,16.49 45.23,16.49 49.01,20.26 68.12,20.26 70.14,22.28 70.14,26.21 ; 70.14,26.21 IC5.15 70.14,26.21
/D6: length 49.7
  Top w0.2: 37.9,8.84 MSX BUS.40 37.9,8.84 ; 37.9,8.84 37.9,11.74 39.1,11.74 v1(39.17,11.8)
  Bottom w0.2: 69.34,26.21 IC5.16 69.34,26.21 ; 69.34,26.21 69.34,22.34 67.87,20.87 49.05,20.87 45.21,17.03 44.39,17.03 v1(39.17,11.8)
/D7: length 49.4
  Bottom w0.2: 37.9,8.62 MSX BUS.39 37.9,8.62 ; 37.9,8.62 37.9,13.83 45.55,21.49 46.85,21.49 46.9,21.43 65.59,21.43 66.45,22.3 66.45,24.23 66.96,24.73 68.13,24.73 68.54,25.15 68.54,26.21 ; 68.54,26.21 IC5.17 68.54,26.21
/DO2: length 31.2
  Bottom w0.2: IC5.24 62.94,28.16 56.06,28.16 41.47,42.75 ; 41.47,42.75 U2.5 41.47,42.75
/LRO: length 34.2
  Bottom w0.2: 65.34,26.31 IC5.21 65.34,26.31 ; 65.34,26.31 65.34,25.56 56.12,25.56 41.47,40.21 ; 41.47,40.21 U2.4 41.47,40.21
/MD0: length 62.5
  Top w0.2: IC3.17 81.22,57.96 81.17,58.01 v1(70.86,58.01) 69.36,59.5 52.29,59.5 50.5,57.7 IC2.17
  In1.Cu w0.2: v1(72.54,53.65) 72.54,56.32 v1(70.86,58.01)
  Bottom w0.2: 69.34,47.51 IC5.49 69.34,47.51 ; 69.34,47.51 69.34,50.16 72.54,53.36 v1(72.54,53.65) ; IC6.31 66.58,53.73 v1(70.86,58.01)
/MD1: length 56.9
  Top w0.2: IC3.18 68.24,56.69 v1(67.87,57.06) 65.83,59.09 53.16,59.09 50.5,56.43 IC2.18
  Bottom w0.2: 67.74,45.51 IC5.47 67.74,45.51 ; 67.74,45.51 67.74,46.16 67.28,46.62 64.89,46.62 61.55,49.96 61.55,53.83 61.95,54.23 IC6.32 65.1,54.23 67.87,57 v1(67.87,57.06)
/MD2: length 54.1
  Top w0.2: IC3.15 91.54,56.69 88.26,59.97 71.56,59.97 v1(71.18,59.6) ; IC2.15 63.33,56.43 63.33,55.62 63.96,54.98 v1(64.82,54.98)
  Bottom w0.2: v1(71.18,59.6) 69.34,59.6 64.82,55.07 v1(64.82,54.98) 64.57,54.73 IC6.33 61.81,54.73 61.15,54.07 61.15,49.8 64.78,46.16 65.34,46.16 65.34,45.51 ; 65.34,45.51 IC5.44 65.34,45.51
/MD3: length 62
  Top w0.2: v1(59.59,51.59) 59.81,51.8 59.81,53.26 ; 59.81,53.26 67.02,53.26 69.18,55.42 IC3.19 ; 59.81,53.26 59,54.07 57.71,54.07 57.56,53.91 56.83,53.91 55.58,55.16 IC2.19
  Bottom w0.2: IC6.34 61.74,55.23 60.7,54.19 60.7,49.2 63.74,46.16 IC5.42 63.74,43.56 62.59,43.56 61.49,44.66 61.49,45.55 59.59,47.45 v1(59.59,51.59)
/MD4: length 57.4
  Top w0.2: IC3.14 96.86,55.42 96.86,57.16 96.73,57.29 92.53,57.29 89.38,60.44 v1(70.18,60.44) ; IC2.14 60.53,55.16 60.28,54.91 v1(60.21,54.91)
  Bottom w0.2: 62.94,45.51 IC5.41 62.94,45.51 ; 62.94,45.51 62.94,46.16 60.3,48.8 60.3,54.91 ; 60.3,54.91 v1(60.21,54.91) ; 60.3,54.91 60.3,55.58 61.95,57.23 IC6.38 64.04,57.23 67.24,60.44 v1(70.18,60.44)
/MD5: length 57.5
  Top w0.2: v1(59.06,52.54) 57.49,52.54 56.67,53.36 51.03,53.36 50.5,53.89 IC2.20 ; IC3.20 81.22,54.15 81.02,54.35 69.1,54.35 v1(68.25,53.5)
  In2.Cu w0.2: v1(68.25,53.5) 67.29,52.54 v1(59.06,52.54)
  Bottom w0.2: 64.54,44.21 64.54,43.56 64.12,43.14 62.44,43.14 61.09,44.49 61.09,45.38 58.89,47.59 58.89,52.37 v1(59.06,52.54) 59.38,52.85 59.38,55.23 61.88,57.73 IC6.39 ; 64.54,44.21 64.54,44.21 IC5.43 64.54,44.21
/MD6: length 67.3
  Top w0.2: 59.38,54.76 60.24,53.89 IC2.13 ; 59.38,54.76 59.38,55.71 60.77,57.1 63.15,57.1 64.2,58.15 ; 59.38,54.76 57.41,54.76 v1(57.27,54.62) ; IC3.13 85.73,54.15 83.79,56.09 66.27,56.09 64.2,58.15 ; v1(64.2,58.39) 64.2,58.15
  Bottom w0.2: 66.94,44.21 66.94,44.21 IC5.46 66.94,44.21 ; 66.94,44.21 66.94,43.56 66.1,42.72 62.22,42.72 60.43,44.51 60.43,45.15 57.44,48.14 57.44,52.66 57.27,52.82 v1(57.27,54.62) ; v1(64.2,58.39) 64.05,58.23 IC6.40
/MD7: length 67.4
  Top w0.2: IC3.21 74.46,52.88 73.45,51.87 72.86,51.87 72.69,52.04 63.34,52.04 63.28,51.98 60.66,51.98 60.42,51.73 60.42,51.34 59.94,50.86 58,50.86 v1(56.67,52.19) 50.93,52.19 50.5,52.62 IC2.21
  Bottom w0.2: 68.54,44.21 68.54,44.21 IC5.48 68.54,44.21 ; 68.54,44.21 68.54,43.56 67.3,42.32 62.06,42.32 59.75,44.63 59.75,45.03 56.67,48.11 v1(56.67,52.19) 56.54,52.31 56.54,54.95 56.97,55.37 58.89,55.37 61.95,58.43 61.95,58.73 IC6.41
/SLTSOUND: length 14.3
  Bottom w0.2: 25.2,10.6 MSX BUS.49 25.2,10.6 ; 25.2,10.6 25.2,15.26 25.14,15.33 ; 25.14,15.33 C14.2 25.14,15.33
/~{BUSDIR}: length 31.7
  Top w0.2: 76,8.84 76,11.74 66.51,21.23 59.37,21.23 57.69,22.91 57.61,22.91 IC1.15 ; 76,8.84 MSX BUS.10 76,8.84
/~{CS0}: length 33.7
  Top w0.2: v1(80.91,51.29) 81.22,51.61 IC3.22
  Bottom w0.2: v1(80.91,51.29) 80.91,49.37 81.88,48.4 81.88,43.77 81.56,43.45 80.43,43.45 75.59,38.61 61.49,38.61 61.44,38.66 IC5.36
/~{CS1}: length 20.5
  Top w0.2: IC2.22 50.5,51.35 50.56,51.42 v1(55.96,51.42)
  Bottom w0.2: v1(55.96,51.42) 55.96,43.14 58.84,40.26 IC5.38
/~{INT}: length 28.6
  Top w0.2: v1(74.98,20.64) 78.54,17.08 78.54,11.51 ; 78.54,11.51 MSX BUS.8 78.54,11.51
  Bottom w0.2: 74.94,26.21 IC5.9 74.94,26.21 ; 74.94,26.21 74.94,20.68 v1(74.98,20.64)
/~{IORQ}: length 28.2
  Top w0.2: IC1.4 54.47,13.35 70.98,13.35 v1(71.2,13.13)
  Bottom w0.2: MSX BUS.11 73.46,11.74 72.59,11.74 v1(71.2,13.13)
/~{MRD}: length 40.5
  Top w0.2: IC2.24 50.5,48.81 51.1,49.41 70.2,49.41 v1(70.36,49.25) 81.04,49.25 81.22,49.07 IC3.24
  Bottom w0.2: v1(70.36,49.25) 70.14,49.03 70.14,46.94 ; 70.14,46.94 IC5.50 70.14,46.94
/~{MWR}: length 87.9
  Top w0.2: IC3.29 85.1,42.72 85.7,43.32 96.73,43.32 96.88,43.16 96.88,38.51 96.31,37.94 91.24,37.94 89.91,36.62 87.58,36.62 84.08,33.12 79,33.12 77.3,34.81 v1(77.3,38.28) 77.07,38.05 56.92,38.05 55.65,39.32 47.84,39.32 47.7,39.47 47.7,42.46 IC2.29
  Bottom w0.2: IC5.66 80.08,41.06 v1(77.3,38.28)
/~{RD}: length 58.8
  Top w0.2: v1(72.01,13.74) 71.91,13.64 ; 71.91,13.64 71.91,12.73 70.92,11.74 70.92,8.84 ; 71.91,13.64 71.73,13.83 70.91,13.83 70.83,13.75 60.29,13.75 58.88,15.16 58.88,15.44 58.06,16.25 50.96,16.25 49.99,15.29 IC1.3 ; 70.92,8.84 MSX BUS.14 70.92,8.84
  Bottom w0.2: 78.14,27.51 78.14,28.16 81.69,28.16 81.84,28.01 81.84,23.57 v1(72.01,13.74) ; 78.14,27.51 78.14,27.51 IC5.5 78.14,27.51
/~{RESET}: length 92.9
  Top w0.2: v1(91.74,49.32) 90.58,50.48 v1(86.82,50.48)
  Bottom w0.2: IC6.14 84,55.73 86.82,52.91 v1(86.82,50.48) ; 68.38,8.74 68.38,13.01 76.54,21.17 76.54,25.38 ; 68.38,8.74 MSX BUS.15 68.38,8.74 ; 76.54,25.38 76.54,28.16 76.95,28.57 82.94,28.57 88.31,23.2 94.87,23.2 96.85,25.19 96.85,44.21 v1(91.74,49.32) ; 76.54,25.38 IC5.7
/~{ROM}: length 64.1
  Top w0.2: v1(72.56,59.23) 83.27,59.23 84.32,58.17 v1(84.32,57.94)
  Bottom w0.2: v1(84.32,57.94) 83.62,57.23 IC6.11 ; IC5.25 58.84,29.86 57.3,31.39 57.3,37.76 55.24,39.82 55.24,56.72 57.95,59.43 59.76,59.43 60.07,59.73 IC6.43 64.33,59.73 65.76,61.17 70.62,61.17 v1(72.56,59.23)
/~{WR}: length 29.7
  Bottom w0.2: 77.34,25.11 IC5.6 77.34,25.11 ; 77.34,25.11 77.34,20.82 69.57,13.05 69.57,12.29 70.12,11.74 70.92,11.74 70.92,8.74 ; 70.92,8.74 MSX BUS.13 70.92,8.74
Net-(BUS1-SW1): length 19.9
  Top w0.2: 30.28,8.84 30.28,11.74 32.82,11.74 32.82,8.84 ; 30.28,8.84 MSX BUS.46 30.28,8.84 ; 32.82,8.84 MSX BUS.44 32.82,8.84
Net-(C14-+): length 58.7
  Top w0.2: 34.99,51.1 R6.2 34.99,51.1 ; 34.99,51.1 34.99,49.83 ; 34.99,49.83 R7.2 ; 34.99,49.83 R7.2 ; R7.2 30.45,44.02 v1(23.2,44.02)
  Bottom w0.2: 17.72,15.39 17.53,15.39 R8.2 ; 17.72,15.39 C14.1 ; 17.72,15.39 17.72,28.43 18.68,29.39 18.78,29.39 ; 18.78,29.39 19.12,29.39 22.1,32.37 22.1,42.92 v1(23.2,44.02) ; 18.78,29.39 IC4.2
Net-(D1-A): length 5.3
  Top w0.2: 41.26,60.65 41.92,61.31 ; 41.92,61.31 R2.2 ; 41.92,61.31 42.58,61.97 D1.2
Net-(IC1A-O1): length 35.5
  Top w0.2: v1(79.71,25.29) 79.69,25.31 49.85,25.31 47.45,22.91 IC1.19
  Bottom w0.2: 79.74,26.21 IC5.3 79.74,26.21 ; 79.74,26.21 79.74,25.56 79.71,25.53 v1(79.71,25.29)
Net-(IC1A-O2): length 31.6
  Top w0.2: IC1.18 49.99,22.91 51.68,24.59 v1(78.35,24.59)
  Bottom w0.2: IC5.4 78.95,26.85 78.95,25.19 v1(78.35,24.59)
Net-(IC1A-O4): length 29.5
  Top w0.2: IC1.16 55.07,22.91 56.04,23.87 77.98,23.87 v1(78.27,23.58)
  Bottom w0.2: 80.54,26.05 80.54,26.05 IC5.2 80.54,26.05 ; 80.54,26.05 80.54,24.5 79.62,23.58 v1(78.27,23.58)
Net-(IC4-Pad1): length 16.7
  Bottom w0.2: IC4.1 18.63,30.66 15.88,27.91 R8.1
Net-(IC4A-+): length 22.5
  Bottom w0.2: 33.9,33.43 33.91,33.42 ; 33.91,33.42 R4.2 ; 33.91,33.42 33.92,33.41 33.92,30.43 ; 33.92,30.43 R5.2 ; 33.92,30.43 33.92,28.25 19,28.25 IC4.3
Net-(IC5-XI): length 22.5
  Top w0.2: 90.46,15.3 89.56,16.2 89.56,18.68 C8.1 89.57,18.69 Q1.2 ; 90.46,15.3 R1.1 90.46,15.3
  Bottom w0.2: Q1.2 86.67,27.18 86.67,31.5 85.9,32.26 IC5.77
Net-(IC5-XO): length 25.9
  Top w0.2: 93.51,15.35 R1.2 93.51,15.35 ; 93.51,15.35 94.45,16.29 Q1.1
  Bottom w0.2: Q1.1 94.45,25.23 86.62,33.06 IC5.76
Net-(IC6-WE#): length 4.6
  Bottom w0.2: 58.33,60.24 R3.2 58.33,60.24 ; 58.33,60.24 58.34,60.23 IC6.44
Net-(U1-CON): length 53.2
  Bottom w0.2: 36.82,39.11 36.82,38.55 31.07,32.81 25.85,32.81 24.99,33.67 24.99,35.42 23.49,36.92 23.49,43.32 23.9,43.73 23.9,49.35 20.32,52.93 16.7,52.93 9.11,60.52 SW1.1 ; 36.82,39.11 U1.11 36.82,39.11 36.82,39.11
Net-(U1-IN_L): length 18.9
  Top w0.2: R7.1 40.53,48.56
  Bottom w0.2: 30.59,40.24 30.59,40.24 U1.6 ; 30.59,40.24 30.59,40.8 38.45,48.67 U2.7 ; 30.59,40.24 30.59,39.68
Net-(U1-IN_R): length 24.5
  Top w0.2: R6.1 40.53,53.64
  Bottom w0.2: U2.9 41.72,52.66 41.72,48.25 40.87,47.4 38.46,47.4 31.82,40.76 31.82,40.22 ; 31.82,40.22 U1.7 31.82,40.22 31.82,40.22
Net-(U1-LED): length 33.5
  Top w0.2: R2.1 36.73,60.65 v1(35.69,59.61)
  Bottom w0.2: v1(35.69,59.61) 26.82,50.74 26.82,45.21 ; 26.82,45.21 26.82,45.21 U1.3 26.82,45.21
Net-(U2-3VO): length 25.8
  Top w0.2: 20.95,42.94 U2.13 20.95,42.94 ; 20.95,42.94 24.08,39.81 36.79,39.81 39.99,36.61 ; 39.99,36.61 U2.2 39.99,36.61

## Copper pours and planes (outline as drawn; the poured copper is in the pictures)
+5V on In2.Cu: 0.51,64.26 99.82,64.41 99.77,12.14 10.72,12.14 10.72,23.41 0.21,23.41 0.15,64.26
GND on In1.Cu: 0.51,64.26 99.82,64.41 99.77,12.14 10.72,12.14 10.72,23.41 0.21,23.41 0.15,64.26

## Text on the board
B.Silkscreen: +
F.Silkscreen: + | Wozblaster Reloaded | v3.1
